# Altium PCB Main.PcbDoc
Units mil, origin at the board's own origin, x right, y up, seen from the top; angles counter-clockwise.
Board outline 1559.85 x 2453.48 mil, 2 copper layers (Top Layer, Bottom Layer), stack 50.044 mil thick; 94 components, 67 nets, 309 pads, 234 vias.
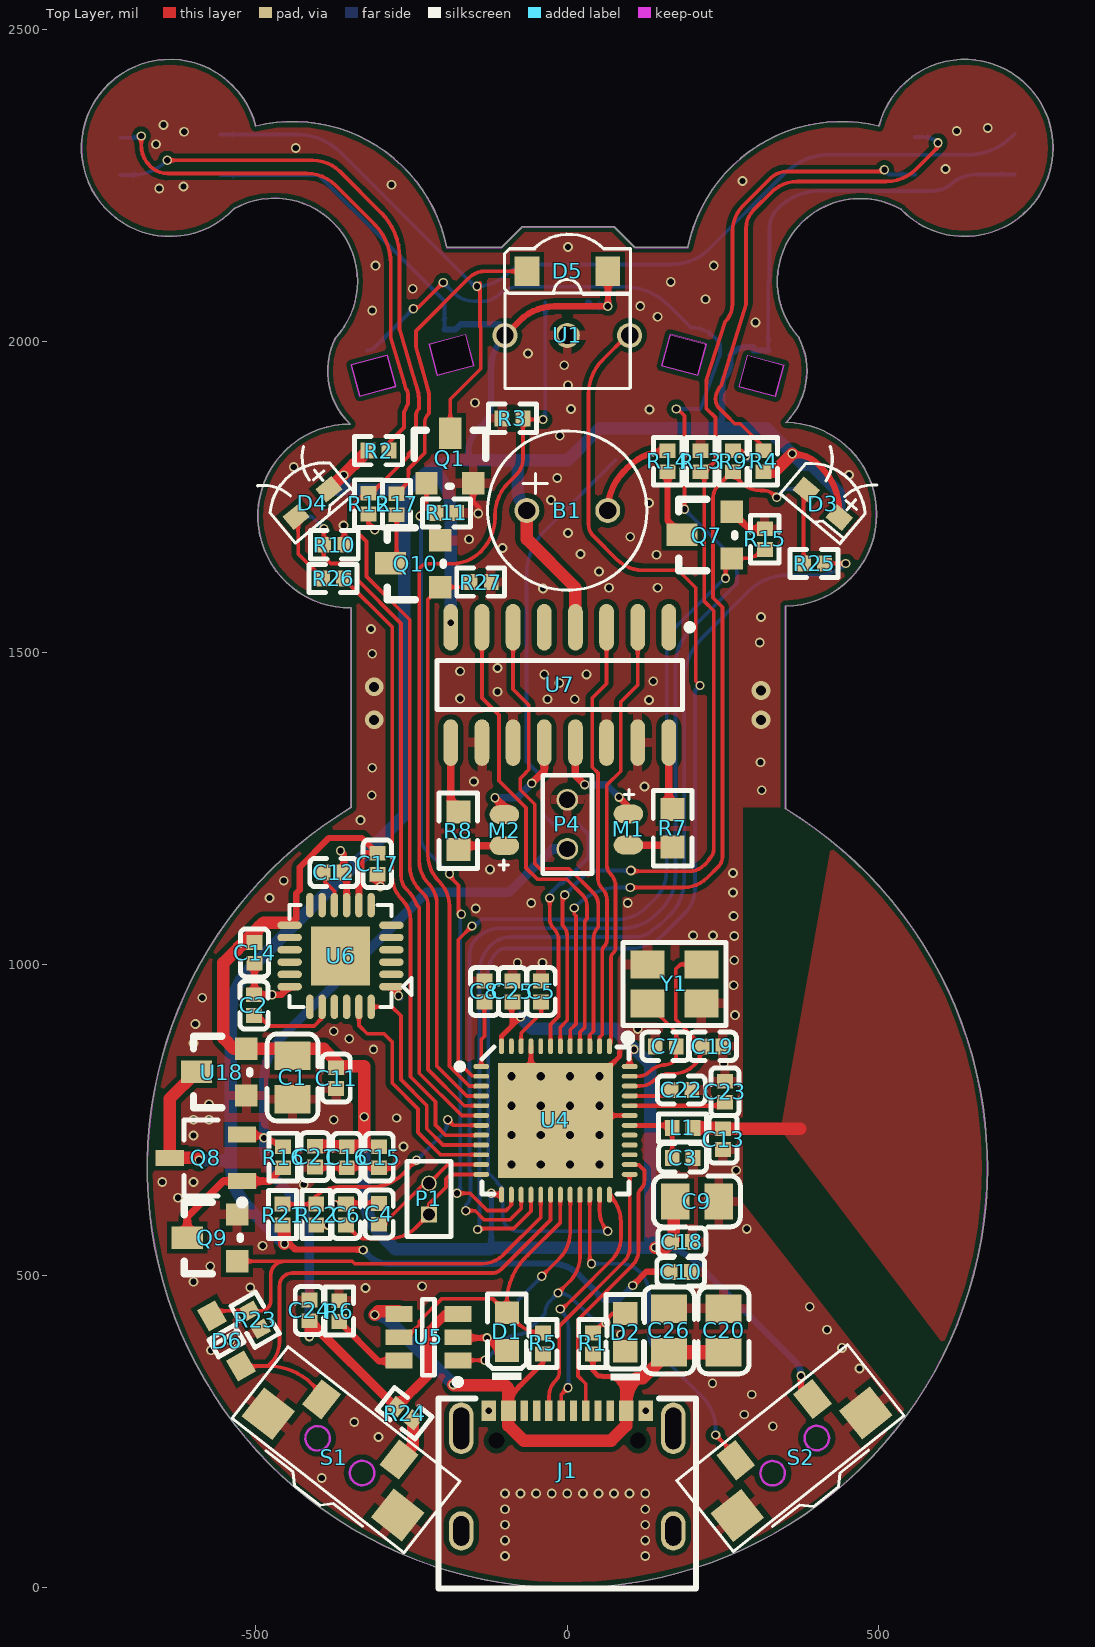
[diagram p0: Top Layer view]
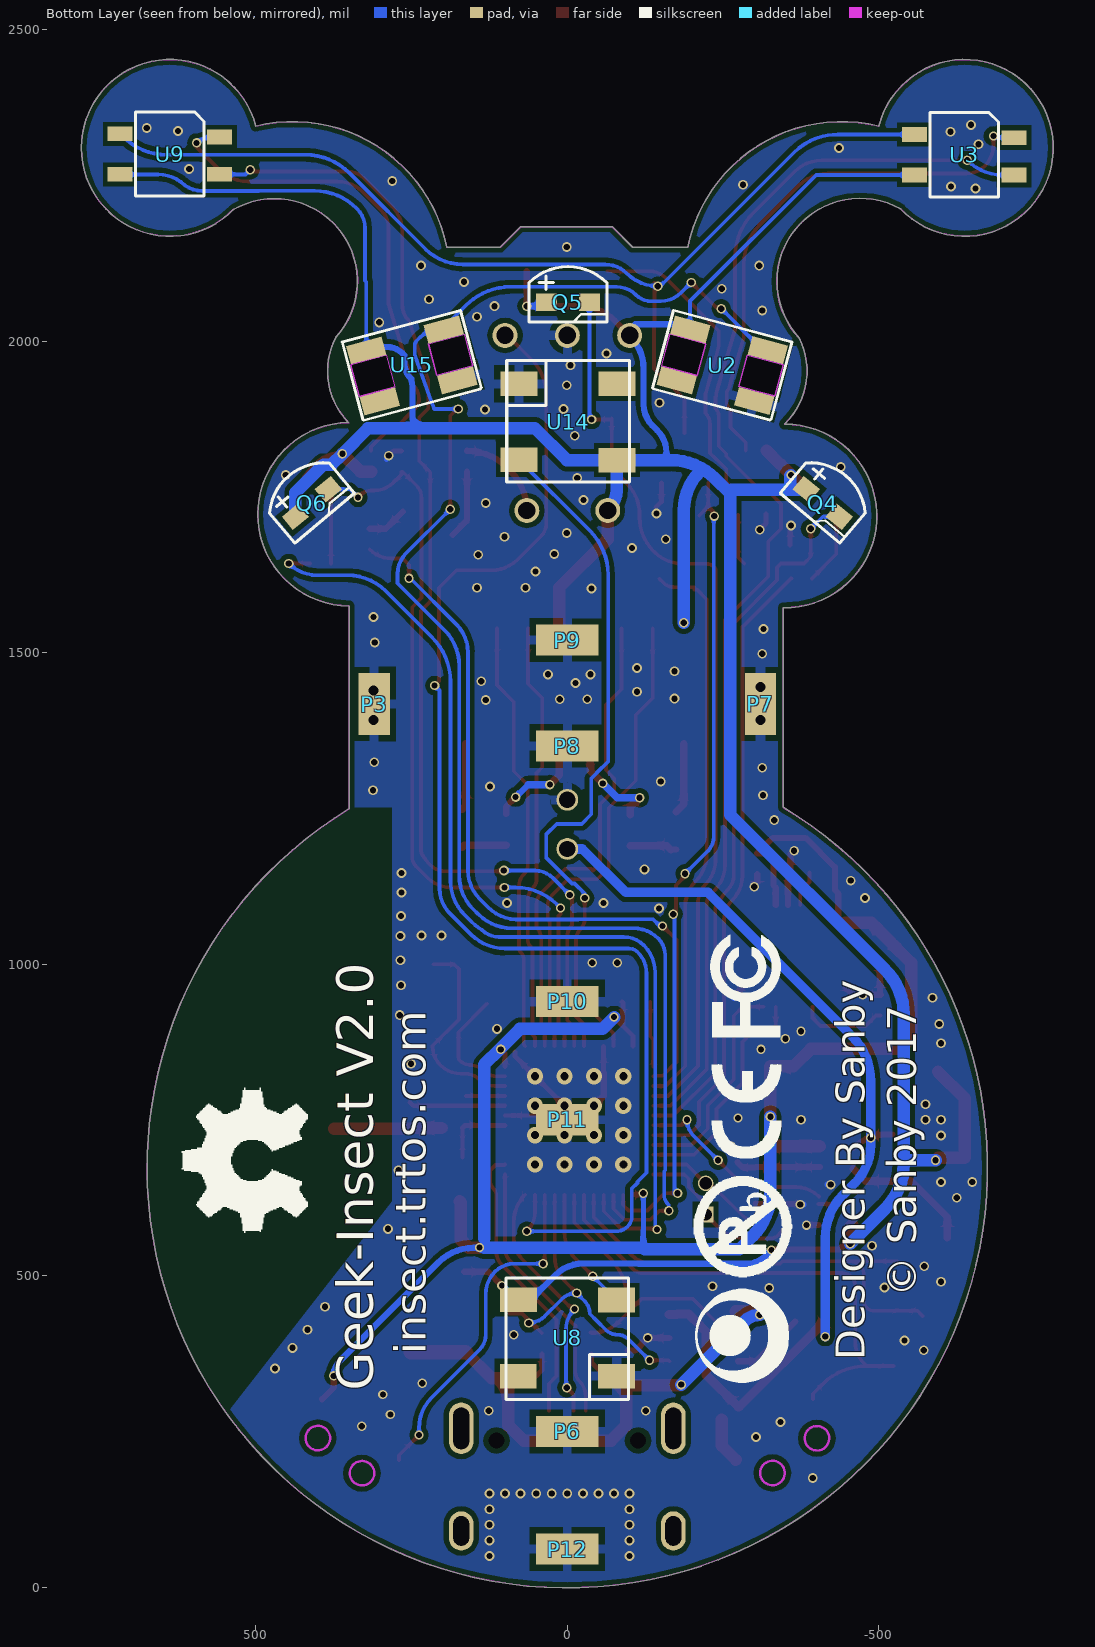
[diagram p1: Bottom Layer view, seen from below]
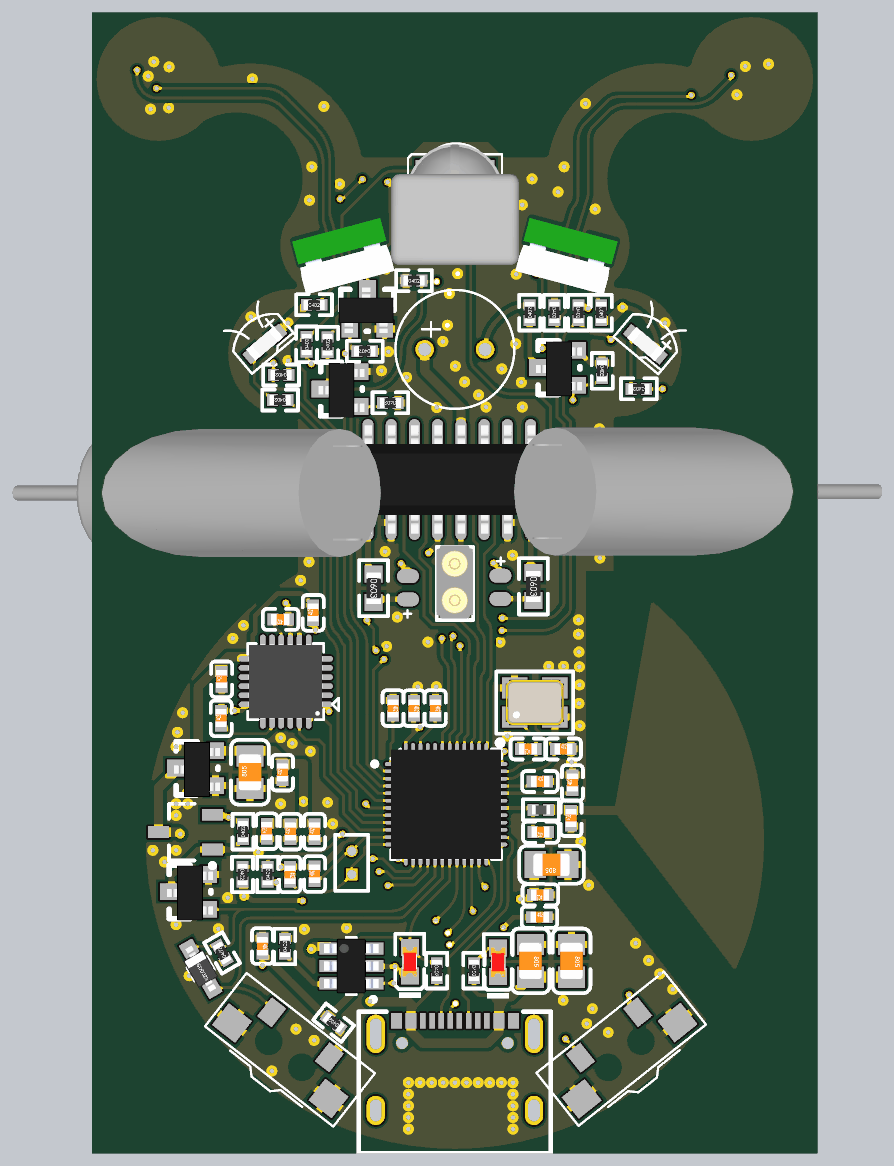
[diagram p2: 3D render of the assembled board from above, using the file's embedded part models]
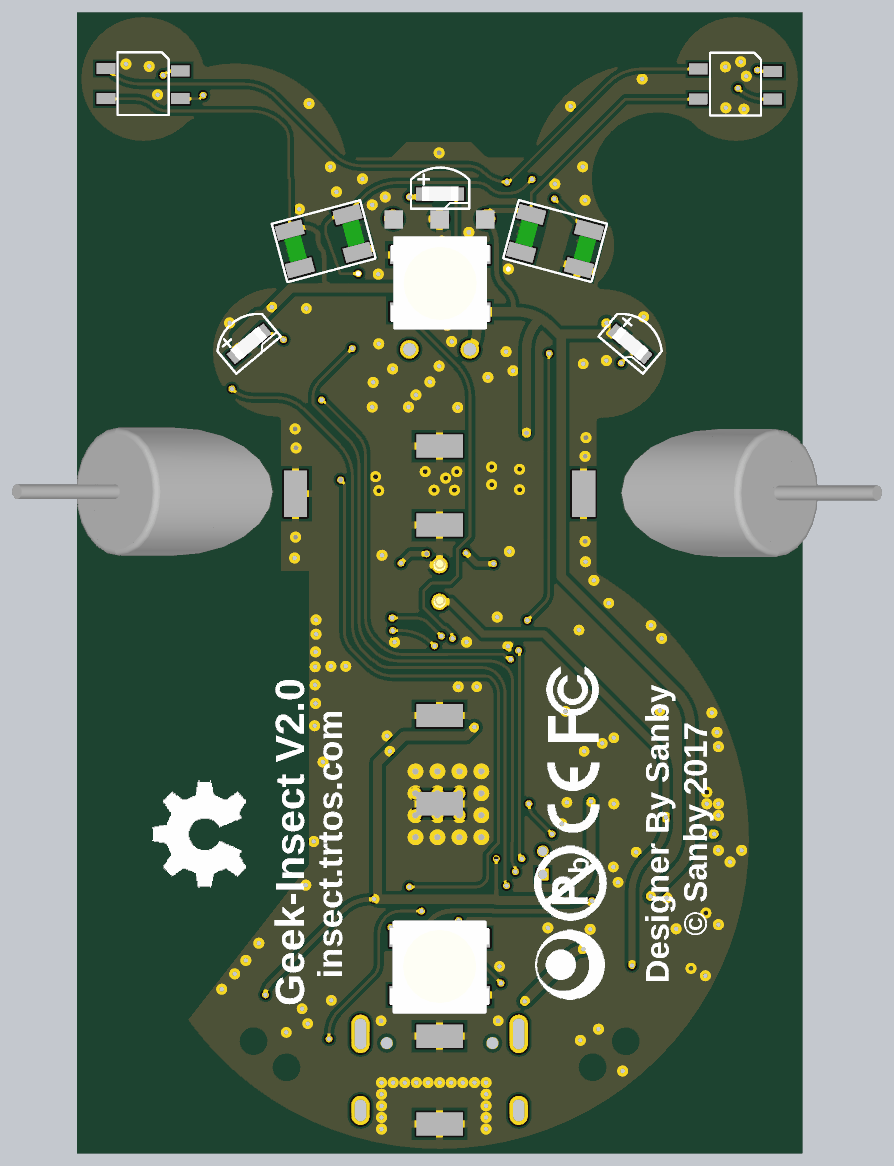
[diagram p3: 3D render of the assembled board from below, using the file's embedded part models]

## Layer stack, top to bottom
Top Solder: solder mask 0.4, Solder Resist, Dk 3.5
Top Layer: signal copper 1.4
Dielectric 1: dielectric 47.244, FR-4, Dk 4.8
Bottom Layer: signal copper 1.4
Bottom Solder: solder mask 0.4, Solder Resist, Dk 3.5

## Board outline
-670.96,741.73 cw(c-670.56,741.78) -670.96,741.82 cw(c0,673.09) -347.03,1251.44 cw(c-346.82,1251.09) -346.82,1251.49 -346.82,1571.85 cw(c-349.44,1719.23) -348.93,1866.64 cw(c-266.1,1951.7) -372.29,2004.8 cw(c-371.93,2004.62) -372.25,2004.87 cw(c-371.92,2004.62) -372.22,2004.9 ccw(c-470.03,2095.62) -336.63,2095.62 ccw(c-470.03,2095.62) -534.7,2212.29 cw(c-535.11,2212.31) -534.81,2212.03 cw(c-637.8,2310) -500.07,2345.15 cw(c-440.11,2100.68) -193.36,2150.41 -105.17,2150.41 -72.29,2183.29 cw(c-72,2183) -72,2183.41 75,2183.41 cw(c75,2183) 75.29,2183.29 108.17,2150.41 193.37,2150.41 cw(c440.12,2100.68) 500.07,2345.15 cw(c637.8,2310) 779.94,2310 cw(c637.8,2310) 535.82,2210.98 cw(c536.11,2211.26) 535.72,2211.14 ccw(c470.03,2095.62) 371.89,2005.99 cw(c371.59,2005.72) 372,2005.72 cw(c371.59,2005.72) 371.94,2005.5 cw(c266.1,1951.7) 384.82,1951.7 cw(c266.1,1951.7) 351.66,1869.39 cw(c349.37,1722) 496.78,1722 cw(c349.37,1722) 350.41,1574.59 350.41,1250 cw(c350,1250) 350.07,1249.6 cw(c0,673.09) 670.8,743.41 cw(c670.39,743.37) 670.8,743.37 cw(c670.39,743.37) 670.8,743.32 cw(c0,673) 674.47,673 cw(c0,673)
cut-out: -346.57,1961.94 -333.16,1911.91 -274.98,1926.93 -288.71,1977.28
cut-out: -221.92,1995.57 -164.12,2011.06 -150.44,1959.97 -208.23,1944.49
cut-out: 165.03,2010.81 151.47,1960.21 209.33,1944.71 222.88,1995.31
cut-out: 289.75,1977.5 347.3,1962.08 334.11,1910.81 276.05,1926.37

## Design rules (kind name [scope] priority, off if disabled: settings)
Clearance Clearance_1 [InNamedPolygon('Top Pol GND')] p1: gap=15
Clearance [InNamedPolygon('Button Pol VCORE')] p2: gap=15
Clearance "Pol Clear" [InNamedPolygon('Button Pol GND')] p3: gap=20
Clearance TQFP_Clear [HasFootprint('QFN40P600X600X90-48N') vs HasFootprint('QFN40P600X600X90-48N')] p4: gap=7
Clearance TQFP_Clear_3 [HasFootprint('qfn24') vs HasFootprint('qfn24')] p5: gap=7
Clearance TQFP_Clear_1 [HasFootprint('TSSO4X6-G16') vs HasFootprint('TSSO4X6-G16')] p6: gap=4
Clearance TQFP_Clear_2 [HasFootprint('MICROUSB4') vs HasFootprint('MICROUSB4')] p7: gap=4
Clearance "Min Clear" [All] p8: gap=8
Clearance "Max Clear" [All] p9: gap=15
FabricationTestPointUsage TestPointUsage [All] p1: valid=0 allowmultiple=FALSE
FabricationTestpoint Testpoint [All] p1: side=3 testpointundercomponent=TRUE minsize=40 maxsize=100 preferedsize=60 minholesize=0 maxholesize=40 preferedholesize=32 testpointgrid=1 allowsidetop=TRUE allowsidebottom=TRUE usegrid=TRUE gridtolerance=0.01
MinimumSolderMaskSliver SilkscreenOverComponentPads [All] p2: minsoldermaskwidth=10
PlaneConnect [All] p1: planeconnectstyle=Relief reliefexpansion=10 reliefentries=4 reliefconductorwidth=10 reliefairgap=10
PolygonConnect [IsVia] p1: connectstyle=Direct reliefconductorwidth=10 reliefentries=4 polygonreliefangle="90 Angle" airgapwidth=10
PolygonConnect PolygonConnect_1 [All] p2: connectstyle=Relief reliefconductorwidth=15 reliefentries=4 polygonreliefangle="90 Angle" airgapwidth=10
RoutingCorners [All] p1: cornerstyle=45-Degree minsetback=25 maxsetback=25
RoutingVias [All] p1: holewidth=10 width=13 viastyle="Through Hole" minholewidth=10 minwidth=13 maxholewidth=20 maxwidth=40
SolderMaskExpansion [All] p1: expansion=4
Width [All] p1: maxlimit=200 minlimit=6 preferedwidth=15
26 further rules are at their usual default settings.

## Components (designator, comment, footprint, x,y, rotation, side; value= is the part's Value field where it differs from the comment)
B1 "BEEP" BEEP 0,1728 r0 top
C1 "22uF (226) 20% 25V" 0805_C -441,818 r90 top
C2 "2.2nF (222) 10% 50V" 0402_C -503,934 r90 top
C3 "0.8pF (1R0) 0.25pF 50V" 0402_C 185,689 r180 top
C4 "NC" 0402_C -302,599 r90 top
C5 "1.0uF (105) 10% 25V" 0402_C -42,956 r270 top
C6 "NC" 0402_C -355,598 r270 top
C7 "12pF (120) 5% 50V" 0402_C 158,868 r180 top
C8 "100nF (104) 10% 16V" 0402_C -133,956 r270 top
C9 "22uF (226) 20% 25V" 0805_C 208,619 r180 top
C10 "1.0uF (105) 10% 25V" 0402_C 182,506 r0 top
C11 "4.7uF (475) 20% 10V" 0402_C -371,817 r90 top
C12 "100nF (104) 10% 16V" 0402_C -375,1147 r180 top
C13 "1.5pF (1R0) 0.25pF 50V" 0402_C 250,719 r90 top
C14 "1.0uF (105) 10% 25V" 0402_C -502,1018 r90 top
C15 "1.0uF (105) 10% 25V" 0402_C -302,690 r90 top
C16 "1.0uF (105) 10% 25V" 0402_C -354,690 r90 top
C17 "1.0uF (105) 10% 25V" 0402_C -305,1161 r90 top
C18 "1.0uF (105) 10% 25V" 0402_C 184,554 r180 top
C19 "12pF (120) 5% 50V" 0402_C 233,868 r0 top
C20 "22uF (226) 20% 25V" 0805_C 251,412 r270 top
C21 "100nF (104) 10% 16V" 0402_C -405,691 r90 top
C22 "100pF (101) 5% 50V" 0402_C 183,798 r0 top
C23 "NC" 0402_C 253,795 r90 top
C24 "1.0uF (105) 10% 25V" 0402_C -414,444 r270 top
C25 "100nF (104) 10% 16V" 0402_C -88,956 r270 top
C26 "22uF (226) 20% 25V" 0805_C 163,412 r270 top
D1 "黄灯 0603" 0603_LED_S1 -97,410 r90 top
D2 "红灯 0603" 0603_LED_S1 93,409 r90 top
D3 "LED" 0802 410,1739 r320 top
D4 "LED" 0802 -409,1740 r40 top
D5 "IR12-21C/TR8" 1206 65.24,2112.06 r180 top
D6 "1N4148WS T4" SOD-323 -547,395 r300 top
J1 "Type-c" Type-c 0,283 r180 top
L1 "3.9nH 3%" 0402_L 185,737 r0 top
M1 "Header 2" PAD2 98,1216 r90 top
M2 "Header 2" PAD2 -101,1215 r270 top
P1 "MHDR1X2" MHDR1X2 -222,598 r90 top
P3 "TestPad" MOTO#1 278,1421 r90 bottom locked
P4 "Header 2.0X2" HEAD2.0 0,1224.25 r90 top
P6 "TestPad" PAD#1 0,250 r180 top
P7 "TestPad" MOTO#2 -310,1420 r270 bottom locked
P8 "TestPad" PAD#2 -20,1350 r180 bottom
P9 "TestPad" PAD#3 -10,1520 r180 bottom
P10 "TestPad" PAD#4 0,940 r0 bottom
P11 "TestPad" PAD#3 -10,750 r180 bottom
P12 "TestPad" PAD#1 0,61 r180 top
Q1 "2N7002 7002" SOT-23 -226,1772 r180 top
Q4 "PTSMD021" EYE -410,1740 r220 bottom
Q5 "PTSMD021" EYE -1,2062 r180 bottom
Q6 "PTSMD021" EYE 410,1740 r140 bottom
Q7 "2N7002 7002" SOT-23 264,1651 r270 top
Q8 "AO3401A P道沟 X13A15 SOT-23" SOT-23-3L -580,689 r0 top
Q9 "2N7002 7002" SOT-23 -530,523 r270 top
Q10 "2N7002 7002" SOT-23 -204,1605 r270 top
R1 "2KΩ (2001) ±1%" 0402_R 41,391 r270 top
R2 "470Ω (4700) ±1%" 0402_R -303,1824 r0 top
R3 "47KΩ (4702) ±1%" 0402_R -88,1876 r0 top
R4 "470Ω (4700) ±1%" 0402_R 315,1807 r90 top
R5 "2KΩ (2001) ±1%" 0402_R -39,391 r270 top
R6 "2KΩ (2001) ±1%" 0402_R -366,443 r90 top
R7 "10Ω (10R0) ±1%" 0603_R 169,1218 r270 top
R8 "10Ω (10R0) ±1%" 0603_R -175,1214 r270 top
R9 "47KΩ (4702) ±1%" 0402_R 266,1807 r270 top
R10 "47KΩ (4702) ±1%" 0402_R -374,1673 r180 top
R11 "100KΩ (1003) ±1%" 0402_R -194,1724 r180 top
R12 "47KΩ (4702) ±1%" 0402_R -319,1739 r90 top
R13 "47KΩ (4702) ±1%" 0402_R 214,1807 r270 top
R14 "10Ω (10R0) ±1%" 0402_R 161,1807 r90 top
R15 "100KΩ (1003) ±1%" 0402_R 317,1682 r270 top
R16 "10KΩ (1002) ±1%" 0402_R -456,690 r90 top
R17 "470Ω (4700) ±1%" 0402_R -274,1738 r90 top
R21 "100KΩ (1003) ±1%" 0402_R -457,598 r270 top
R22 "100KΩ (1003) ±1%" 0402_R -403,598 r90 top
R23 "100KΩ (1003) ±1%" 0402_R -501,429 r120 top
R24 "470Ω (4700) ±1%" 0402_R -261,279 r142 top
R25 "1KΩ (1001) ±1%" 0402_R 396,1643 r180 top
R26 "1KΩ (1001) ±1%" 0402_R -376,1619 r180 top
R27 "100KΩ (1003) ±1%" 0402_R -139,1613 r180 top
S1 "SW-PB" BUTTON -365,211 r232 top
S2 "SW-PB" BUTTON 365,211 r308.5 top (schematic designator S1)
U1 "VS1838" IR38 0,2009 r0 top
U2 "RGB50" "HV-EYE - DUPLICATE" -249,1961 r15 top
U3 "ITR8307" ITR8307 -637,2299 r0 bottom
U4 "nRF52832-QFAA" QFN40P600X600X90-48N -19,749 r0 top
U5 "TP4057" SOT23-6_N -222.96,401 r180 top
U6 "MPU-6050_QFN24" QFN24 -364,1013 r90 top
U7 "FM1208" SO-16_L -12,1448 r270 top
U8 "RGB50" WS2812 0,400 r180 bottom
U9 "ITR8307" ITR8307 638,2300 r0 bottom
U14 "RGB50" WS2812 -1.22,1870.03 r0 bottom
U15 "RGB50" "HV-EYE - DUPLICATE" 249,1961 r345 top
U18 "AP2121-3.3" SOT-23 -515,789 r270 top
Y1 "32MHZ 9PF 10PPM" SMD-3225_4P 172,968 r0 top

## Footprints (in the part's own frame and the unit in brackets; to place one, negate y for a bottom-side part, rotate by r counter-clockwise, add the part's x,y. Pads: shape width x height; smd on the part's side, far side on the other; paste and mask are expansions set on the pad)
0402_C [mm]
  rect 0.6x0.65 smd mask+0.051: 1(-0.425,0) 2(0.425,0)
  silkscreen extent -0.97,-0.58 0.97,0.58, body extent -0.48,-0.3 0.52,0.3, height 0.2
0402_L [mm]
  rect 0.6x0.65 smd mask+0.051: 1(-0.425,0) 2(0.425,0)
  silkscreen extent -0.97,-0.58 0.97,0.58, body extent -0.51,-0.26 0.54,0.26, height 0.36
0402_R [mm]
  rect 0.6x0.65 smd mask+0.051: 1(-0.425,0) 2(0.425,0)
  silkscreen extent -0.97,-0.58 0.97,0.58, body extent -0.57,-0.27 0.58,0.28, height 0.41
0603_LED_S1 [mm]
  rect 0.93x0.98 smd: A(0.77,0) K(-0.77,0)
  silkscreen extent -1.97,-0.79 1.54,0.79, body extent -0.8,-0.4 0.8,0.4, height 0.6
0603_R [mm]
  rect 0.93x0.98 smd: 1(-0.77,0) 2(0.77,0)
  silkscreen extent -1.53,-0.79 1.54,0.79, body extent -0.85,-0.4 0.85,0.4, height 0.56
0802 [mil]
  rect 34x28 smd: 1(-34.45,0) 2(34.45,0)
  silkscreen extent -63,-31 63,79, body extent -39,-15 39,17, height 47
0805_C [mm]
  rect 1.16x1.47 smd: 1(-0.89,0) 2(0.89,0)
  silkscreen extent -1.77,-1.04 1.77,1.04, body extent -1,-0.62 1,0.63, height 0.77
1206 [mm]
  rect 1x1.2 smd: 1(0,0) 2(3.3,0)
  silkscreen extent -0.91,-1.51 4.22,0.94
BEEP [mil]
  round 40 hole 28: 1(-64.96,0) 2(64.96,0)
  silkscreen extent -128,-128 128,128, body extent -130,-130 130,130, height 144
BUTTON [mm]
  rect 1.3x1 smd: 1(-1.35,2) 2(-1.35,-2)
  rect 1.5x1.6 smd: 3(0.45,-3.35) 4(0.45,3.35)
  Keep-Out Layer circle w0.1: c0,1.15 r0.5
  Keep-Out Layer lines w0.1: 0.5,-1.15 cw(c0,-1.15) 0.498,-1.108
  silkscreen extent -2.2,-4.4 2.1,4.5, body extent -1.52,-3.3 2.41,3.4, height 2.54
EYE [mil]
  rect 34x28 smd: 1(-34.45,0) 2(34.45,0)
  silkscreen extent -63,-32 63,57, body extent -39,-15 39,17, height 47
HEAD2.0 [mil] "Connector; Header; 2 Position"
  round 35 hole 26: 1(-39.37,0) 2(39.37,0)
  silkscreen extent -79,-39 79,39, body extent -76,-39 82,40, height 326
"HV-EYE - DUPLICATE" [mil]
  rect 59.06x31.5 smd far side: 1(65,42) 2(65,-42) 3(-64,-42) 4(-64,42)
  Keep-Out Layer pour cut-out: 35.11,26 95.06,26 95.06,-26 35.11,-26
  Keep-Out Layer pour cut-out: -94,26 -34.11,26 -34.11,-26 -94,-26
  Keep-Out Layer lines w0.79: -94,26 -94,-26 -34.15,-26 -34.15,26 -94,26 ; 35.09,26 94.94,26 94.94,-26 35.09,-26 35.09,26
  body extent -98,-93 99,25, height 212
IR38 [mil] "QFN, 48-Leads, Body 6,0x6,0mm (max), Pitch 0,40mm, IPC Medium Density"
  round 40 hole 28: 1(100,0) 2(0,0) 3(-100,0)
  silkscreen extent -100,-85 101,90, body extent -138,-100 138,161, height 327
ITR8307 [mil]
  rect 40x23.62 smd: 1(80,-32.5) 2(-80,-27.5) 3(80,32.5) 4(-80,32.5)
  silkscreen extent -55,-68 55,68, body extent -55,-65 55,65, height 20
MHDR1X2 [mil] "Connector; Header; 2 Position"
  rect 25x25 hole 20: 1(0,0)
  round 25 hole 20: 2(50,0)
  silkscreen extent -35,-35 85,35
MOTO#1 [mil]
  rect 100x50 smd: 1(-3.68,32)
  body extent -137,-195 139,720, height 388
MOTO#2 [mil]
  rect 100x50 smd: 1(2.68,0)
  body extent -137,-195 139,720, height 388
PAD#1 [mil]
  rect 100x50 smd far side: 1(0,0)
PAD#2 [mil]
  rect 100x50 smd: 1(-20,0)
PAD#3 [mil]
  rect 100x50 smd: 1(-10,0)
PAD#4 [mil]
  rect 100x50 smd: 1(0,0)
PAD2 [mil]
  oval 30x47.24 smd: 1(-25,0) 2(25,0)
  silkscreen extent 48,-9 64,7
QFN24 [mm]
  oval 0.3x1 smd: 1(-1.25,-2.075) 2(-0.75,-2.075) 3(-0.25,-2.075) 4(0.25,-2.075) 5(0.75,-2.075) 6(1.25,-2.075) 13(1.25,2.075) 14(0.75,2.075) 15(0.25,2.075) 16(-0.25,2.075) 17(-0.75,2.075) 18(-1.25,2.075)
  oval 1x0.3 smd: 7(2.075,-1.25) 8(2.075,-0.75) 9(2.075,-0.25) 10(2.075,0.25) 11(2.075,0.75) 12(2.075,1.25) 19(-2.075,1.25) 20(-2.075,0.75) 21(-2.075,0.25) 22(-2.075,-0.25) 23(-2.075,-0.75) 24(-2.075,-1.25)
  rect 2.4x2.4 smd: 25(0,0)
  silkscreen extent -2.08,-2.89 2.08,2.08, body extent -2.01,-2.01 2.03,2.03, height 0.88
QFN40P600X600X90-48N [mm] "QFN, 48-Leads, Body 6,0x6,0mm (max), Pitch 0,40mm, IPC Medium Density"
  oval 0.65x0.2 smd: 1(-3.025,2.2) 2(-3.025,1.8) 3(-3.025,1.4) 4(-3.025,1) 5(-3.025,0.6) 6(-3.025,0.2) 7(-3.025,-0.2) 8(-3.025,-0.6) 9(-3.025,-1) 10(-3.025,-1.4) 11(-3.025,-1.8) 12(-3.025,-2.2) 25(3.025,-2.2) 26(3.025,-1.8) 27(3.025,-1.4) 28(3.025,-1) 29(3.025,-0.6) 30(3.025,-0.2) 31(3.025,0.2) 32(3.025,0.6) 33(3.025,1) 34(3.025,1.4) 35(3.025,1.8) 36(3.025,2.2)
  oval 0.2x0.65 smd: 13(-2.2,-3.025) 14(-1.8,-3.025) 15(-1.4,-3.025) 16(-1,-3.025) 17(-0.6,-3.025) 18(-0.2,-3.025) 19(0.2,-3.025) 20(0.6,-3.025) 21(1,-3.025) 22(1.4,-3.025) 23(1.8,-3.025) 24(2.2,-3.025) 37(2.2,3.025) 38(1.8,3.025) 39(1.4,3.025) 40(1,3.025) 41(0.6,3.025) 42(0.2,3.025) 43(-0.2,3.025) 44(-0.6,3.025) 45(-1,3.025) 46(-1.4,3.025) 47(-1.8,3.025) 48(-2.2,3.025)
  rect 4.7x4.7 smd: 49(0,0)
  silkscreen extent -4.02,-3 3,3, body extent -3.02,-3.02 3.02,3.02, height 0.86
SMD-3225_4P [mm]
  rect 1.4x1.15 smd: 1(-1.1,-0.8) 2(1.1,-0.8) 3(1.1,0.8) 4(-1.1,0.8)
  silkscreen extent -2.1,-2.35 2.1,1.7, body extent -1.6,-1.25 1.6,1.25, height 0.61
SO-16_L [mm] "SOIC, 16-Leads, Body 9.9x3.9mm, Pitch 1.27mm, IPC High Density"
  oval 1.9x0.6 smd: 1(-2.35,4.445) 2(-2.35,3.175) 3(-2.35,1.905) 4(-2.35,0.635) 5(-2.35,-0.635) 6(-2.35,-1.905) 7(-2.35,-3.175) 8(-2.35,-4.445) 9(2.35,-4.445) 10(2.35,-3.175) 11(2.35,-1.905) 12(2.35,-0.635) 13(2.35,0.635) 14(2.35,1.905) 15(2.35,3.175) 16(2.35,4.445)
  silkscreen extent -2.47,-5 1,5.42, body extent -2.95,-4.95 2.95,5.03, height 1.45
SOD-323 [mm]
  rect 1x0.83 smd: 1(1.18,0) 2(-1.18,0)
  silkscreen extent -0.4,-0.6 0.4,0.6, body extent -1.35,-0.62 1.35,0.63, height 1.1
SOT23-6_N [mm] "SOT23, 6-Leads, Body 2.9x1.6mm, Pitch 0.95mm, Lead Span 2.7mm, IPC Medium Density"
  rect 1.1x0.65 smd: 1(-1.2,0.95) 2(-1.2,0) 3(-1.2,-0.95) 4(1.2,-0.95) 5(1.2,0) 6(1.2,0.95)
  silkscreen extent -1.33,-1.55 0.25,1.95, body extent -1.5,-1.5 1.5,1.5, height 1.3
SOT-23 [mil]
  rect 36x36 smd: 1(0,0) 2(-75,0)
  rect 36x50 smd: 3(-38,-80)
  silkscreen extent -95,-85 20,5, body extent -94,-89 24,9, height 42
SOT-23-3L [mm] "http://www.aosmd.com/res/packaging_information/SOT-23-3L.pdf"
  rect 1.15x0.65 smd: 1(1.475,-0.95) 2(1.475,0.95) 3(-1.475,0)
  silkscreen extent -0.9,-1.95 1.6,1.55, body extent -0.9,-1.55 0.9,1.55, height 1.25
Type-c [mm]
  round 0 hole 0.65: 0(-2.89,1.218) 0(2.89,1.218)
  rect 0.6x0.85 smd: A1(3.2,0) A4(2.4,0) B1(-3.2,0) B4(-2.4,0)
  rect 0.3x0.85 smd: A5(1.25,0) A6(0.25,0) A7(-0.25,0) A8(-1.25,0) B5(-1.75,0) B6(-0.75,0) B7(0.75,0) B8(1.75,0)
  oval 1x1.6 hole 0.65 slot 1.2 at 90 deg: GND(-4.325,4.898) GND(4.325,4.898)
  oval 1x2.1 hole 0.65 slot 1.7 at 90 deg: GND(-4.325,0.715) GND(4.325,0.715)
  silkscreen extent -5.25,-0.5 5.25,7.25, body extent -5.25,-0.5 5.25,7.25, height 3.26
WS2812 [mm]
  rect 1.5x1 smd: 1(-1.992,1.556) 2(-2,-1.555) 3(2,-1.555) 4(2,1.545)
  silkscreen extent -2.5,-2.51 2.5,2.44, body extent -2.7,-2.5 2.7,2.5, height 1.7
